# KiCad board EC87.kicad_pcb (continued)
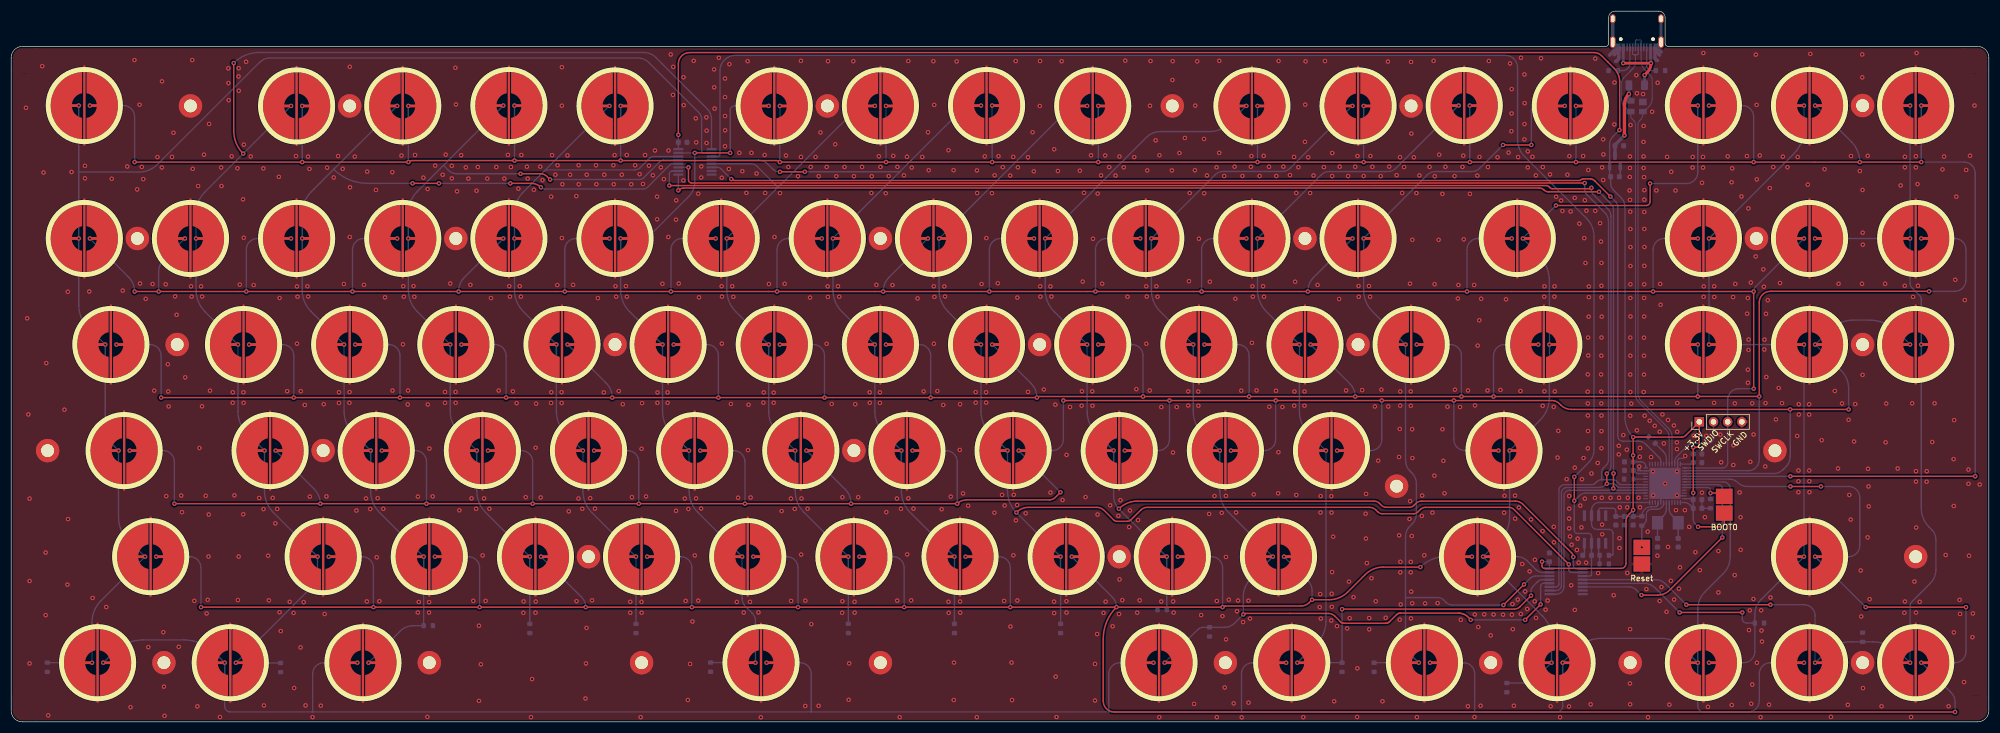
[diagram p0: board, top side]
## Routing (per net, layer and track width the routed paths; a pad name or vN(x,y) marks a point on that pad's centre or on a via; arc(x,y) is an arc through that point) (continued)
COL7: length 154.7
  Top w0.25: v1(159.34,48.59) 158.2,48.59 ; v1(154.59,67.59) 153.48,67.59 ; v1(173.59,110.41) 171.86,110.41 ; v1(142.06,98.55) 142.05,98.54 v1(137.6,98.54) ; v1(168.84,29.59) 167.25,29.59 ; v1(147.09,86.59) 148.15,86.59
  Bottom w0.25: 159.1,98.6 159.05,98.55 v1(142.06,98.55) ; 159.1,98.6 169.96,109.46 arc(171.01,110.16) 172.25,110.41 v1(173.59,110.41) ; 159.1,98.6 v1(147.09,86.59) 147.09,77.35 arc(147.51,75.27) 148.69,73.5 v1(154.59,67.59) 154.59,55.6 arc(155.01,53.52) 156.19,51.75 v1(159.34,48.59) 159.34,41.35 arc(159.76,39.27) 160.94,37.5 v1(168.84,29.59) R16.1 ; v1(137.6,98.54) 137.52,98.54 arc(136.87,98.67) 136.31,99.04 135.44,99.91 arc(134.64,100.44) 133.71,100.63 U2.4
COL8: length 230.7
  Top w0.25: v1(166.09,86.59) 167.26,86.59 ; v1(179.94,37.5) 180.03,37.59 arc(180.95,38.21) 182.04,38.42 194.35,38.42 arc(195.04,38.29) 195.62,37.9 197.4,36.12 arc(197.63,35.97) 197.89,35.92 199.83,35.92 arc(200.15,35.98) 200.41,36.16 202.22,37.97 arc(202.74,38.31) 203.34,38.43 243.08,38.43 arc(243.77,38.29) 244.34,37.91 244.65,37.6 arc(245.01,37.36) 245.43,37.28 251.03,37.28 arc(251.44,37.36) 251.78,37.59 252.24,38.04 arc(252.67,38.33) 253.17,38.43 268.06,38.43 arc(268.57,38.33) 269,38.04 v1(278.81,28.23) ; v1(178.34,48.59) 176.72,48.59 ; v1(187.84,29.59) 186.29,29.59 ; v1(192.59,110.34) 190.68,110.34 ; v1(173.59,67.59) 172.34,67.59
  Bottom w0.25: v1(192.59,110.34) 191.22,110.34 arc(189.95,110.09) 188.87,109.37 v1(166.09,86.59) 166.09,77.35 arc(166.51,75.27) 167.69,73.5 v1(173.59,67.59) 173.59,55.6 arc(174.01,53.52) 175.19,51.75 v1(178.34,48.59) 178.34,41.35 arc(178.76,39.27) v1(179.94,37.5) v1(187.84,29.59) R25.1 ; U4.2 279.31,26.77 arc(278.96,26.92) 278.81,27.27 v1(278.81,28.23)
COL9: length 217.6
  Top w0.25: v1(185.09,86.59) 186.48,86.59 ; v1(192.59,67.59) 190.93,67.59 ; v1(197.34,48.59) 196.08,48.59 ; v1(206.84,29.59) 205.9,29.59 ; v1(221.09,110.34) 219.38,110.34 ; v1(198.27,38.16) arc(199.81,39.19) 201.61,39.55 243.97,39.55 arc(244.48,39.45) 244.91,39.16 245.28,38.79 arc(245.67,38.53) 246.14,38.44 250.29,38.44 arc(250.71,38.52) 251.06,38.76 251.42,39.11 arc(251.9,39.43) 252.47,39.55 269.25,39.55 arc(269.97,39.4) 270.58,39 279.33,30.25 arc(279.55,29.92) v1(279.62,29.54)
  Bottom w0.25: R23.1 206.86,29.56 arc(206.85,29.58) v1(206.84,29.59) v1(198.27,38.16) arc(197.59,39.19) 197.34,40.41 v1(197.34,48.59) 194.19,51.75 arc(193.01,53.52) 192.59,55.6 v1(192.59,67.59) 186.69,73.5 arc(185.51,75.27) 185.09,77.35 v1(185.09,86.59) 203.22,104.72 arc(204.36,105.48) 205.69,105.74 214.56,105.74 arc(216.35,106.1) 217.86,107.11 v1(221.09,110.34) ; U4.1 280.22,27.42 arc(279.82,27.57) 279.63,27.95 279.63,29.53 v1(279.62,29.54)
COL10: length 210.6
  Top w0.25: v1(211.59,67.59) 210.07,67.59 ; v1(261.26,18.28) 261.26,18.28 260.67,18.87 260.56,18.97 260.32,19.13 260.06,19.27 259.79,19.37 259.5,19.44 259.21,19.47 259.06,19.48 248.68,19.48 248.58,19.47 248.39,19.44 248.21,19.36 248.04,19.25 247.97,19.18 246.74,17.95 246.67,17.88 246.5,17.77 246.32,17.7 246.13,17.66 246.03,17.66 238.63,17.66 238.53,17.66 238.34,17.7 238.16,17.77 237.99,17.88 237.92,17.95 236.94,18.93 arc(236.4,19.29) 235.75,19.42 229.06,19.42 228.84,19.42 220.98,19.42 arc(220.75,19.38) v1(220.55,19.25) ; v1(204.09,86.59) 205.74,86.59 ; v1(225.84,29.59) 224.56,29.59 ; v1(206.47,10.59) 207.58,10.59 ; v1(271,18.28) v1(273.77,21.05) ; v1(216.34,48.59) 214.97,48.59 ; v1(240.09,110.34) 238.52,110.34
  Bottom w0.25: v1(271,18.28) v1(261.26,18.28) ; U4.12 274.31,24.82 arc(273.93,24.67) 273.77,24.29 v1(273.77,21.05) ; v1(206.47,10.59) 212.4,16.53 arc(212.84,16.82) 213.36,16.93 217.2,16.93 arc(218.16,17.12) 218.96,17.65 v1(220.55,19.25) 220.56,19.25 220.56,22.61 arc(220.94,24.25) 221.9,25.65 v1(225.84,29.59) 217.94,37.5 arc(216.76,39.27) 216.34,41.35 v1(216.34,48.59) 213.19,51.75 arc(212.01,53.52) 211.59,55.6 v1(211.59,67.59) 205.69,73.5 arc(204.51,75.27) 204.09,77.35 v1(204.09,86.59) 215.52,98.02 arc(216.17,98.45) 216.93,98.61 227.53,98.61 arc(228.29,98.76) 228.94,99.19 v1(240.09,110.34)
COL11: length 193.2
  Top w0.25: v1(272.05,22.61) 270.06,20.62 arc(269.6,20.31) 269.05,20.2 v1(238.22,20.2) ; v1(259.09,110.41) 257.42,110.41 ; v1(230.22,10.59) 231.36,10.59 ; v1(230.59,67.59) 228.96,67.59 ; v1(223.09,86.59) 224.68,86.59 ; v1(235.34,48.59) 233.92,48.59
  Bottom w0.25: U4.13 274.04,25.47 arc(273.64,25.39) 273.3,25.16 272.41,24.27 arc(272.15,23.88) 272.05,23.41 v1(272.05,22.61) ; v1(238.22,20.2) 238.22,10.59 238.22,10.59 v1(230.22,10.59) 233.75,14.12 arc(234.93,15.89) 235.34,17.97 v1(235.34,48.59) 232.19,51.75 arc(231.01,53.52) 230.59,55.6 v1(230.59,67.59) 224.69,73.5 arc(223.51,75.27) 223.09,77.35 v1(223.09,86.59) 234.5,98 arc(235.15,98.43) 235.91,98.59 246.45,98.59 arc(247.21,98.74) 247.86,99.17 v1(259.09,110.41)
COL12: length 172.6
  Top w0.25: v1(249.59,67.59) 248.14,67.59 ; v1(267.11,20.93) v1(270.8,24.62) ; v1(267.03,103.35) v1(272.1,103.35) ; v1(278.09,110.34) 276.33,110.34 ; v1(251.97,10.59) 250.64,10.59 ; v1(242.09,86.59) 243.62,86.59
  Bottom w0.25: v1(267.11,20.93) 257.97,20.93 arc(257.36,21.05) 256.85,21.39 256.38,21.86 arc(255.93,22.16) 255.39,22.27 249.59,22.27 ; v1(270.8,24.62) 271.9,25.72 arc(272.35,26.01) 272.88,26.12 U4.14 ; 249.59,22.27 249.59,14.65 arc(249.9,13.1) 250.78,11.78 v1(251.97,10.59) arc(251.97,10.59) 251.96,10.59 243.96,10.59 ; 249.59,22.27 249.59,33.27 arc(249.77,34.18) 250.29,34.95 250.73,35.4 arc(251.33,36.28) 251.53,37.33 251.53,42.66 arc(251.33,43.7) 250.74,44.58 250.37,44.95 arc(249.8,45.81) 249.59,46.83 v1(249.59,67.59) 243.69,73.5 arc(242.51,75.27) 242.09,77.35 v1(242.09,86.59) 253.49,97.99 arc(254.14,98.42) 254.9,98.58 261.44,98.58 arc(262.2,98.73) 262.85,99.16 v1(267.03,103.35) ; v1(278.09,110.34) 273.05,110.34 arc(272.38,110.07) 272.1,109.4 v1(272.1,103.35)
COL13: length 169.1
  Top w0.25: v1(270.59,86.59) 272.46,86.59 ; v1(275.34,67.59) 276.88,67.59 ; v1(293.36,96.45) 293.36,93.19 arc(293.16,92.71) 292.68,92.51 v1(276.51,92.51) ; v1(263.47,29.59) 265.15,29.59 ; v1(268.22,48.59) 270.24,48.59 ; v1(275.72,10.59) 274.66,10.59 ; v1(301.91,110.41) 300.63,110.41
  Bottom w0.25: v1(293.36,96.45) 299.91,96.45 arc(301.32,97.03) 301.91,98.45 v1(301.91,110.41) ; U4.15 274.02,26.77 arc(273.49,26.87) 273.05,27.17 271.37,28.85 arc(270.55,29.4) 269.58,29.59 v1(263.47,29.59) ; v1(263.47,29.59) 274.12,18.94 arc(275.3,17.17) 275.72,15.09 v1(275.72,10.59) 273.21,8.08 arc(271.95,7.24) 270.48,6.95 R21.1 ; v1(263.47,29.59) 266.62,32.75 arc(267.8,34.52) 268.22,36.6 v1(268.22,48.59) 273.65,54.02 arc(274.9,55.9) 275.34,58.12 v1(275.34,67.59) 275.34,78.87 arc(274.8,81.62) 273.24,83.95 v1(270.59,86.59) 276.5,92.5 arc(276.51,92.51) v1(276.51,92.51)
COL14: length 177.5
  Top w0.25: v1(320.91,29.59) 319.79,29.59 ; v1(303.91,67.59) 305.31,67.59 ; v1(320.91,110.41) 319.05,110.41 ; v1(303.91,10.59) 305.19,10.59 ; v1(320.91,67.59) 319.64,67.59 ; v1(303.91,86.59) 305.58,86.59 ; v1(298.65,19.6) v1(309.87,19.6)
  Bottom w0.25: v1(320.91,110.41) 320.91,106.17 arc(320.43,103.79) 319.08,101.77 v1(303.91,86.59) v1(303.91,67.59) v1(320.91,67.59) v1(320.91,29.59) 313.24,21.92 arc(312.41,20.69) 312.12,19.23 R24.1 ; R24.1 310.64,17.7 arc(310.1,17.92) 309.87,18.47 v1(309.87,19.6) ; R24.1 312.12,12.59 arc(311.53,11.18) 310.12,10.59 v1(303.91,10.59) ; v1(298.65,19.6) 294.19,24.06 arc(293.34,24.63) 292.35,24.82 U4.5
COL15: length 202.3
  Top w0.25: v1(322.91,86.59) 324.41,86.59 ; v1(339.91,86.59) 338.53,86.59 ; v1(339.91,10.59) 338.66,10.59 ; v1(341.91,67.59) 344.06,67.59 ; v1(314.91,20.99) v1(299.85,20.99) ; v1(339.91,110.41) 338.18,110.41 ; v1(322.91,10.59) 324.74,10.59
  Bottom w0.25: v1(339.91,86.59) 339.91,78.51 arc(339.98,78.13) 340.2,77.8 341.61,76.39 arc(341.83,76.06) 341.91,75.68 v1(341.91,67.59) 341.91,38.28 arc(342.27,36.45) 343.31,34.9 343.78,34.43 arc(344.33,33.6) 344.52,32.62 344.52,27.23 arc(344.27,25.93) 343.53,24.83 340.2,21.5 arc(339.98,21.18) 339.91,20.79 v1(339.91,10.59) 338.26,12.24 arc(335.94,13.79) 333.21,14.33 R26.1 329.28,14.33 arc(326.84,13.85) 324.78,12.47 v1(322.91,10.59) 322.91,18.99 arc(322.32,20.4) 320.91,20.99 v1(314.91,20.99) ; v1(339.91,86.59) v1(322.91,86.59) ; v1(339.91,86.59) v1(339.91,110.41) ; U4.4 294.37,25.47 arc(295.3,25.29) 296.08,24.76 v1(299.85,20.99)
D+: length 82
  Bottom w0.2: USB1.6 290.75,121.98 arc(290.81,122.13) 290.96,122.19 291.57,122.19 arc(291.7,122.13) 291.75,122 291.75,118.53 arc(291.95,117.55) 292.5,116.72 293.39,115.83 arc(293.65,115.45) 293.74,115 293.74,111.65 arc(293.58,110.86) 293.14,110.2 292.35,109.41 arc(292.27,109.35) 292.18,109.34 ; U1.33 297.28,51.13 arc(297.13,51.89) 296.7,52.54 291.79,57.45 arc(291.36,58.1) 291.2,58.86 291.2,107 arc(291.28,107.38) 291.5,107.7 291.65,107.85 arc(291.97,108.33) 292.08,108.9 D1.2
D-: length 81.3
  Bottom w0.2: U1.32 296.78,50.99 arc(296.63,51.75) 296.2,52.4 291.34,57.26 arc(290.91,57.91) 290.75,58.68 290.75,107 arc(290.68,107.38) 290.46,107.7 290.17,108 arc(289.95,108.32) 289.88,108.69 D1.3 ; 290.59,119.52 290.44,119.52 arc(290.3,119.57) 290.25,119.71 290.25,120.85 ; 290.59,119.52 290.89,119.52 ; 290.59,119.52 arc(290.7,119.47) 290.74,119.37 ; 290.74,119.37 290.74,118.18 arc(290.61,117.53) 290.25,116.98 288.63,115.37 arc(288.36,114.96) 288.26,114.47 288.26,111.48 arc(288.39,110.81) 288.77,110.25 289.61,109.41 arc(289.69,109.35) 289.78,109.34 ; 290.74,119.37 arc(290.78,119.47) 290.89,119.52 ; 290.89,119.52 291.04,119.52 arc(291.19,119.58) 291.25,119.72 291.25,120.85
NRST: length 10.6
  Bottom w0.25: v1(291.88,31.27) R4.2 291.98,35.16 292.42,35.59 arc(292.62,35.88) 292.68,36.23 292.68,37.16 arc(292.95,37.82) 293.61,38.09 294.61,38.09 arc(295.05,38.17) 295.42,38.42 295.68,38.68 arc(295.76,38.8) 295.78,38.93 U1.7
ROW0: length 640.2
  Top w0.25: v1(280.09,110.34) 281.4,110.34 ; v1(52.09,110.34) 53.91,110.34 ; v1(341.91,100.28) 341.9,100.28 v1(330.9,100.28) v1(311.9,100.28) v1(223.09,100.28) v1(137.59,100.28) arc(137.28,100.48) 136.92,100.56 71.77,100.56 arc(71.4,100.48) v1(71.09,100.28) v1(52.09,100.28) v1(22.09,100.28) ; v1(90.09,110.41) 91.17,110.41 ; v1(156.59,110.34) 158.09,110.34 ; v1(322.91,110.41) 324.52,110.41 ; v1(194.59,110.34) 196.18,110.34 ; v1(261.09,110.41) 262.66,110.41 ; v1(242.09,110.34) 243.49,110.34 ; v1(109.09,110.34) 110.07,110.34 ; v1(71.09,110.34) 73.1,110.34 ; v1(303.91,110.41) 305.78,110.41 ; v1(341.91,110.41) 343.55,110.41 ; v1(175.59,110.41) 176.84,110.41 ; v1(318.48,43.99) v1(351.56,43.99) ; v1(223.09,110.34) 224.91,110.34 ; v1(14.09,110.41) 15.86,110.41 ; v1(137.59,110.34) 139.1,110.34
  Bottom w0.25: v1(137.59,110.34) v1(137.59,100.28) ; v1(175.59,110.41) v1(175.59,100.28) ; v1(303.91,110.41) 309.91,110.41 arc(311.32,109.82) 311.9,108.42 v1(311.9,100.28) ; v1(71.09,100.28) v1(71.09,110.34) ; v1(52.09,110.34) v1(52.09,100.28) ; v1(156.59,110.34) v1(156.59,100.28) ; v1(351.56,43.99) 351.56,98.28 arc(350.98,99.69) 349.56,100.28 v1(341.91,100.28) v1(341.91,110.41) ; v1(242.09,110.34) v1(242.09,100.28) ; v1(261.09,110.41) v1(261.09,100.28) ; v1(280.09,110.34) v1(280.09,100.28) ; v1(223.09,100.28) 223.09,100.54 arc(223.09,100.54) 223.09,100.54 v1(223.09,110.34) ; v1(22.09,100.28) 22.09,108.41 arc(21.51,109.82) 20.09,110.41 v1(14.09,110.41) ; v1(322.91,110.41) 329.4,103.92 arc(330.51,102.25) v1(330.9,100.28) ; v1(90.09,110.41) v1(90.09,100.56) ; U1.40 v1(318.48,43.99) ; v1(109.09,110.34) v1(109.09,100.56) ; v1(194.59,110.34) v1(194.59,100.28)
ROW1: length 597.3
  Top w0.25: v1(126.09,86.59) 124.71,86.59 ; v1(50.09,86.59) 48.99,86.59 ; v1(88.09,86.59) 86.86,86.59 ; v1(268.59,86.59) 266.28,86.59 ; v1(202.09,86.59) 200.8,86.59 ; v1(69.09,86.59) 67.45,86.59 ; v1(14.09,86.59) 15.46,86.59 ; v1(240.09,86.59) 238.75,86.59 ; v1(221.09,86.59) 219.76,86.59 ; v1(145.09,86.59) 144.03,86.59 ; v1(107.09,86.59) 106.07,86.59 ; v1(31.09,86.59) 29.59,86.59 ; v1(301.91,86.59) 299.95,86.59 ; v1(183.09,86.59) 181.34,86.59 ; v1(164.09,86.59) 162.94,86.59 ; v1(311.9,59.69) v1(311.9,77.1) v1(293.9,77.1) v1(260.59,77.1) v1(232.09,77.1) v1(213.08,77.1) v1(194.08,77.1) v1(175.09,77.1) v1(137.09,77.1) v1(118.09,77.1) v1(99.09,77.1) v1(80.09,77.1) v1(61.09,77.1) v1(42.09,77.1) v1(26.39,77.1) v1(22.09,77.1) ; v1(320.91,86.59) 319.18,86.59
  Bottom w0.25: v1(164.09,86.59) 157.15,79.65 arc(156.37,78.48) v1(156.09,77.1) ; v1(61.09,77.1) 61.09,84.59 arc(61.68,86.01) 63.1,86.59 v1(69.09,86.59) ; v1(293.9,77.1) 293.9,84.6 arc(294.49,86.01) 295.9,86.59 v1(301.91,86.59) ; v1(31.09,86.59) 27.33,82.83 arc(26.64,81.79) 26.39,80.58 v1(26.39,77.1) ; v1(183.09,86.59) 177.09,86.59 arc(175.68,86.01) 175.09,84.6 v1(175.09,77.1) ; v1(137.09,77.1) 137.09,84.6 arc(137.68,86.01) 139.09,86.59 v1(145.09,86.59) ; v1(202.09,86.59) 196.08,86.59 arc(194.67,86.01) 194.08,84.6 v1(194.08,77.1) ; v1(42.09,77.1) 42.09,84.6 arc(42.68,86.01) 44.09,86.59 v1(50.09,86.59) ; v1(88.09,86.59) 81.15,79.65 arc(80.37,78.48) v1(80.09,77.1) ; v1(320.91,86.59) 312.25,77.94 arc(311.99,77.55) v1(311.9,77.1) ; U1.37 306.34,45.49 arc(306.99,45.75) 307.25,46.4 J1.3 307.25,57.69 arc(307.84,59.1) 309.25,59.69 v1(311.9,59.69) ; v1(14.09,86.59) 21.03,79.65 arc(21.82,78.48) v1(22.09,77.1) ; v1(268.59,86.59) 262.59,86.59 arc(261.18,86.01) 260.59,84.6 v1(260.59,77.1) ; v1(118.09,77.1) 118.09,84.6 arc(118.68,86.01) 120.09,86.59 v1(126.09,86.59) ; v1(213.08,77.1) 213.08,84.6 arc(213.67,86.01) 215.08,86.59 v1(221.09,86.59) ; v1(99.09,77.1) 99.09,84.59 arc(99.68,86.01) 101.1,86.59 v1(107.09,86.59) ; v1(240.09,86.59) 233.15,79.65 arc(232.37,78.48) v1(232.09,77.1)
ROW2: length 636.8
  Top w0.25: v1(273.34,67.59) 271.62,67.59 ; v1(118.59,67.59) 119.87,67.59 ; v1(61.59,67.59) 63.56,67.59 ; v1(42.59,67.59) 44.14,67.59 ; v1(301.91,67.59) 299.94,67.59 ; v1(80.59,67.59) 81.89,67.59 ; v1(194.59,67.59) 196.06,67.59 ; v1(232.59,67.59) 234.96,67.59 ; v1(341.91,86.59) 343.05,86.59 ; v1(156.59,67.59) 158.1,67.59 ; v1(343.3,77.13) 314.9,77.13 arc(313.49,76.54) 312.9,75.13 v1(312.9,58.3) 301.91,58.3 v1(301.9,58.29) v1(265.34,58.29) v1(259.59,58.29) v1(240.59,58.29) v1(221.59,58.29) v1(202.6,58.29) 184.06,58.29 arc(183.81,58.24) v1(183.6,58.1) v1(164.59,58.1) v1(145.59,58.1) v1(126.59,58.1) v1(107.59,58.1) v1(88.59,58.1) v1(69.59,58.1) v1(50.57,58.1) v1(26.84,58.1) ; v1(213.59,67.59) 214.9,67.59 ; v1(175.59,67.59) 177.39,67.59 ; v1(251.59,67.59) 253.41,67.59 ; v1(137.59,67.59) 138.6,67.59 ; v1(99.59,67.59) 100.84,67.59 ; v1(18.84,67.59) 20.12,67.59
  Bottom w0.25: v1(175.59,67.59) 182.55,60.64 arc(183.33,59.47) v1(183.6,58.1) ; v1(301.91,67.59) 301.91,58.29 v1(301.9,58.29) ; v1(99.59,67.59) 106.53,60.65 arc(107.32,59.48) v1(107.59,58.1) ; v1(251.59,67.59) 257.6,67.59 arc(259.01,67.01) 259.59,65.6 v1(259.59,58.29) ; v1(88.59,58.1) 88.59,65.6 arc(88.01,67.01) 86.6,67.59 v1(80.59,67.59) ; v1(221.59,58.29) 221.59,65.6 arc(221.01,67.01) 219.6,67.59 v1(213.59,67.59) ; v1(265.34,58.29) 265.34,65.6 arc(265.93,67.01) 267.34,67.59 v1(273.34,67.59) ; v1(69.59,58.1) 69.59,65.6 arc(69.01,67.01) 67.6,67.59 v1(61.59,67.59) ; v1(312.9,58.3) 312.9,46.99 arc(312.32,45.57) 310.9,44.99 U1.38 ; v1(232.59,67.59) 239.67,60.52 arc(240.35,59.49) v1(240.59,58.29) ; v1(118.59,67.59) 124.6,67.59 arc(126.01,67.01) 126.59,65.6 v1(126.59,58.1) ; v1(164.59,58.1) 164.59,65.6 arc(164.01,67.01) 162.6,67.59 v1(156.59,67.59) ; v1(343.3,77.13) 347.9,77.13 arc(349.32,77.71) 349.9,79.13 349.9,84.6 arc(349.32,86.01) 347.91,86.59 v1(341.91,86.59) ; v1(137.59,67.59) 143.6,67.59 arc(145.01,67.01) 145.59,65.6 v1(145.59,58.1) ; v1(42.59,67.59) 48.6,67.59 arc(50.01,67.01) 50.59,65.6 50.59,58.12 arc(50.59,58.1) v1(50.57,58.1) ; v1(202.6,58.29) 202.6,65.6 arc(202.02,67.01) 200.61,67.59 v1(194.59,67.59) ; v1(18.84,67.59) 24.85,67.59 arc(26.26,67.01) 26.84,65.6 v1(26.84,58.1)
ROW3: length 600.8
  Top w0.25: v1(188.34,57.56) v1(207.34,57.56) v1(226.35,57.56) v1(245.34,57.56) v1(258.24,57.56) 275.78,57.56 arc(276.51,57.42) 277.13,57 277.37,56.76 arc(278.25,56.17) 279.28,55.97 v1(318.44,55.97) v1(328.9,55.97) ; v1(322.91,67.59) 324.64,67.59 ; v1(180.34,48.59) 181.66,48.59 ; v1(21.22,48.59) 22.25,48.59 ; v1(66.34,48.59) 67.49,48.59 ; v1(237.34,48.59) 239.23,48.59 ; v1(104.34,48.59) 105.59,48.59 ; v1(47.34,48.59) 48.75,48.59 ; v1(187.82,41.12) 186.91,40.21 arc(186.41,39.87) 185.81,39.76 170.96,39.76 arc(170.09,39.58) v1(169.34,39.09) v1(150.34,39.09) v1(131.34,39.09) v1(112.34,39.09) v1(93.34,39.09) v1(74.34,39.09) v1(55.34,39.09) v1(29.21,39.09) ; v1(161.34,48.59) 162.67,48.59 ; v1(339.91,67.59) 338.52,67.59 ; v1(142.34,48.59) 143.6,48.59 ; v1(266.22,48.59) 264.45,48.59 ; v1(123.34,48.59) 124.77,48.59 ; v1(85.34,48.59) 86.23,48.59 ; v1(218.34,48.59) 219.77,48.59 ; v1(199.34,48.59) 201.02,48.59
  Bottom w0.25: v1(266.22,48.59) 260.24,48.59 arc(258.82,49.18) 258.23,50.6 258.23,57.56 arc(258.24,57.56) v1(258.24,57.56) ; v1(21.22,48.59) 27.22,48.59 arc(28.63,48.01) 29.21,46.6 v1(29.21,39.09) ; v1(47.34,48.59) 54.28,41.66 arc(55.07,40.48) v1(55.34,39.09) ; v1(131.34,39.09) 131.34,46.6 arc(130.76,48.01) 129.35,48.59 v1(123.34,48.59) ; U1.39 315.53,44.49 arc(316.4,44.66) 317.14,45.15 317.7,45.72 arc(318.25,46.54) 318.44,47.5 v1(318.44,55.97) ; v1(161.34,48.59) 167.35,48.59 arc(168.76,48.01) 169.34,46.6 v1(169.34,39.09) ; v1(104.34,48.59) 110.35,48.59 arc(111.76,48.01) 112.34,46.6 v1(112.34,39.09) ; 186.25,48.59 v1(180.34,48.59) 187.81,41.12 arc(187.82,41.12) v1(187.82,41.12) ; 186.25,48.59 186.34,48.59 arc(187.76,49.18) 188.34,50.6 v1(188.34,57.56) ; 186.25,48.59 186.35,48.59 ; v1(199.34,48.59) 205.34,48.59 arc(206.75,49.18) 207.33,50.59 207.33,57.56 arc(207.34,57.56) v1(207.34,57.56) ; v1(339.91,67.59) 337.6,69.9 arc(335.3,71.44) 332.58,71.98 329.79,71.98 arc(327.48,71.52) 325.52,70.21 v1(322.91,67.59) 327.58,62.92 arc(328.56,61.45) 328.9,59.73 v1(328.9,55.97) ; v1(142.34,48.59) 149.28,41.66 arc(150.07,40.48) v1(150.34,39.09) ; v1(93.34,39.09) 93.34,46.6 arc(92.76,48.01) 91.35,48.59 v1(85.34,48.59) ; v1(66.34,48.59) 72.35,48.59 arc(73.76,48.01) 74.34,46.6 v1(74.34,39.09) ; v1(237.34,48.59) 243.35,48.59 arc(244.76,49.18) 245.34,50.59 245.34,57.56 arc(245.34,57.56) v1(245.34,57.56) ; v1(218.34,48.59) 224.34,48.59 arc(225.76,49.18) 226.34,50.6 226.34,57.56 arc(226.35,57.56) v1(226.35,57.56)
ROW4: length 694.8
  Top w0.25: v1(94.84,29.59) 96.44,29.59 ; v1(208.84,29.59) 209.85,29.59 ; v1(341.91,10.59) 343.78,10.59 ; v1(252.24,27.73) 245.58,27.73 arc(243.86,27.38) 242.39,26.4 239.23,23.24 arc(237.72,22.23) 235.93,21.88 v1(232.86,21.88) 232.32,21.34 arc(231.68,20.91) 230.92,20.76 217.35,20.76 arc(217.08,20.7) v1(216.84,20.55) v1(102.84,20.55) v1(83.84,20.55) v1(64.84,20.55) v1(33.97,20.55) ; v1(132.84,29.59) 134.22,29.59 ; v1(349.91,20.55) v1(331.95,20.55) ; v1(75.84,29.59) 77.01,29.59 ; v1(322.91,29.59) 324.47,29.59 ; v1(189.84,29.59) 191.24,29.59 ; v1(151.84,29.59) 152.75,29.59 ; v1(25.97,29.59) 27.38,29.59 ; v1(261.47,29.59) 259.89,29.59 ; v1(227.84,29.59) 229.28,29.59 ; v1(318.48,42.17) v1(323.94,42.17) ; v1(113.84,29.59) 114.99,29.59 ; v1(347.96,1.76) 197.47,1.76 arc(196.06,2.35) 195.47,3.76 195.47,14.82 arc(196.09,17.92) v1(197.84,20.55) ; v1(170.84,29.59) 172.73,29.59 ; v1(56.84,29.59) 58.32,29.59
  Bottom w0.25: v1(170.84,29.59) 176.85,29.59 arc(178.26,29.01) 178.84,27.6 v1(178.84,20.55) ; v1(25.97,29.59) 31.98,29.59 arc(33.39,29.01) 33.97,27.6 v1(33.97,20.55) ; v1(113.84,29.59) 119.85,29.59 arc(121.26,29.01) 121.84,27.6 v1(121.84,20.55) ; v1(323.94,42.17) 328.9,42.17 arc(330.32,41.58) 330.9,40.17 330.9,31.6 arc(330.32,30.18) 328.9,29.59 v1(322.91,29.59) v1(331.95,20.55) ; v1(56.84,29.59) 62.85,29.59 arc(64.26,29.01) 64.84,27.6 v1(64.84,20.55) ; v1(83.84,20.55) 83.84,27.61 arc(83.26,29.01) 81.86,29.59 v1(75.84,29.59) ; v1(232.86,21.88) 232.86,23.48 arc(232.66,24.49) 232.09,25.34 v1(227.84,29.59) ; v1(349.91,20.55) 349.91,12.59 arc(349.33,11.18) 347.92,10.59 v1(341.91,10.59) 347.23,5.27 arc(347.77,4.46) 347.96,3.51 v1(347.96,1.76) ; U1.41 307.56,43.49 arc(308.38,43.32) 309.07,42.86 arc(309.84,42.35) 310.75,42.17 v1(318.48,42.17) ; v1(151.84,29.59) 157.85,29.59 arc(159.26,29.01) 159.84,27.6 v1(159.84,20.55) ; v1(261.47,29.59) 256.75,29.59 arc(254.31,29.11) v1(252.24,27.73) ; v1(216.84,20.55) 216.84,27.6 arc(216.26,29.01) 214.85,29.59 v1(208.84,29.59) ; v1(132.84,29.59) 138.85,29.59 arc(140.26,29.01) 140.84,27.6 v1(140.84,20.55) ; v1(189.84,29.59) 197.1,22.33 arc(197.65,21.51) v1(197.84,20.55) ; v1(94.84,29.59) 102.1,22.33 arc(102.65,21.51) v1(102.84,20.55)
ROW5: length 478.8
  Top w0.25: v1(253.97,10.59) 255.8,10.59 ; v1(320.91,10.59) 319.55,10.59 ; v1(301.91,10.59) 300.55,10.59 ; v1(228.22,10.59) 227.26,10.59 ; v1(16.47,10.59) 17.89,10.59 ; v1(61.97,10.59) 60.82,10.59 ; v1(204.47,10.59) 202.81,10.59 ; v1(38.22,10.59) 36.65,10.59 ; v1(277.72,10.59) 279.14,10.59 ; v1(135.22,10.59) 136.67,10.59
  Bottom w0.25: 261.97,1.78 276.69,1.78 arc(277.42,2.08) 277.72,2.81 v1(277.72,10.59) 280.29,13.16 arc(282.29,14.5) 284.64,14.97 295.27,14.97 arc(297.36,14.55) 299.13,13.37 v1(301.91,10.59) ; 261.97,1.78 220.26,1.78 ; 261.97,1.78 261.96,1.78 261.96,8.6 arc(261.38,10.01) 259.97,10.59 v1(253.97,10.59) ; v1(301.91,10.59) 301.91,20.16 arc(302.25,21.87) 303.21,23.31 306.45,26.55 arc(307.38,27.94) 307.7,29.58 307.7,41.77 arc(307.35,42.63) 306.48,42.99 U1.42 ; v1(301.91,10.59) 301.91,2.78 arc(302.2,2.07) 302.91,1.78 310.91,1.78 arc(312.33,2.36) 312.91,3.78 312.91,8.6 arc(313.5,10.01) 314.91,10.59 v1(320.91,10.59) ; 220.26,1.78 196.48,1.78 ; 220.26,1.78 arc(220.24,1.79) 220.22,1.82 220.22,8.6 arc(220.81,10.01) 222.22,10.59 v1(228.22,10.59) ; 53.9,1.78 53.97,1.78 53.97,8.6 arc(54.56,10.01) 55.97,10.59 v1(61.97,10.59) ; 53.9,1.78 143.16,1.78 ; 53.9,1.78 39.22,1.78 arc(38.51,2.07) 38.22,2.78 v1(38.22,10.59) 36.42,12.4 arc(33.89,14.08) 30.91,14.68 23.6,14.68 arc(20.78,14.12) 18.4,12.52 v1(16.47,10.59) ; 143.16,1.78 196.48,1.78 ; 143.16,1.78 arc(143.2,1.79) 143.21,1.83 143.21,8.6 arc(142.63,10.01) 141.22,10.59 v1(135.22,10.59) ; 196.48,1.78 arc(196.48,1.78) 196.47,1.79 196.47,8.6 arc(197.06,10.01) 198.47,10.59 v1(204.47,10.59)
SWDIO: length 12.4
  Bottom w0.25: U1.34 297.78,46.68 arc(297.87,47.12) 298.12,47.49 300.13,49.5 arc(300.58,49.8) 301.1,49.91 303.71,49.91 arc(304.42,50.2) 304.71,50.91 J1.2
XTAL0: length 7
  Bottom w0.25: U1.5 296.78,38.13 arc(296.9,37.53) 297.24,37.02 298.4,35.86 Y1.2 arc(298.4,35.65) 298.4,35.65 298.4,32.86
XTAL1: length 7
  Bottom w0.25: U1.6 296.28,38.22 arc(296.14,37.5) 295.73,36.88 294.7,35.86 Y1.1 arc(294.7,35.65) 294.7,35.65 294.7,32.86
Net-(C1-Pad1): length 2.5
  Bottom w0.25: U1.22 291.28,44.49 arc(290.91,44.56) 290.59,44.77 C1.1
Net-(R1-Pad2): length 5.8
  Bottom w0.25: R1.2 288.47,116.68 arc(289.38,117.05) 289.75,117.96 USB1.4
Net-(R2-Pad1): length 5.4
  Bottom w0.25: USB1.10 292.75,117.6 arc(293.03,116.95) 293.68,116.68 R2.1
Net-(R3-Pad1): length 4.5
  Bottom w0.25: U1.31 296.28,47.19 arc(296.16,47.82) 295.8,48.36 295.65,48.51 295.65,48.51 R3.1
Net-(R17-Pad2): length 3.8
  Bottom w0.25: U3.2 284.15,30.01 arc(284.21,29.89) R17.2 R18.1

## Copper pours and planes (outline as drawn; the poured copper is in the pictures)
GND on Top, Bottom: 148.38,51.06 153.29,51.06 153.29,46.15 148.38,46.15
GND on Top, Bottom: 27.28,70.04 32.19,70.04 32.19,65.13 27.28,65.13
GND on Top, Bottom: 181.65,70.07 186.56,70.07 186.56,65.16 181.65,65.16
GND on Top, Bottom: 0.04,4.79 4.78,4.79 4.78,0.05 0.04,0.05
GND on Top, Bottom: 349.19,4.79 353.93,4.79 353.93,0.05 349.19,0.05
GND on Top, Bottom: 77.13,89.03 82.04,89.03 82.04,84.12 77.13,84.12
GND on Top, Bottom: 0.14,4.81 4.88,4.81 4.88,0.07 0.14,0.07
GND on Top, Bottom: 238.67,70.06 243.58,70.06 243.58,65.15 238.67,65.15
GND on Top, Bottom: 153.13,13.06 158.04,13.06 158.04,8.15 153.13,8.15
GND on Top, Bottom: 262.4,13.05 267.31,13.05 267.31,8.14 262.4,8.14
GND on Top, Bottom: 328.95,70.09 333.86,70.09 333.86,65.18 328.95,65.18
GND on Top, Bottom: 0.06,116.22 0.06,120.96 4.82,120.96 4.82,116.22
GND on Top, Bottom: 338.49,32.05 343.4,32.05 343.4,27.14 338.49,27.14
GND on Top, Bottom: 229.16,89.05 234.07,89.05 234.07,84.14 229.16,84.14
GND on Top, Bottom: 349.16,116.21 349.16,120.95 353.98,120.95 353.98,116.21
GND on Top, Bottom: 328.97,112.87 333.88,112.87 333.88,107.96 328.97,107.96
GND on Top, Bottom: 318.13,48.59 318,47.28 316.48,45.78 313.94,45.81 313.31,47.45 313.31,51.24 318,51.24
GND on Top, Bottom: 58.16,112.8 63.07,112.8 63.07,107.89 58.16,107.89
GND on Top, Bottom: 214.86,13.06 219.77,13.06 219.77,8.15 214.86,8.15
GND on Top, Bottom: 72.41,13.08 77.32,13.08 77.32,8.17 72.41,8.17
GND on Top, Bottom: 100.91,32.05 105.82,32.05 105.82,27.14 100.91,27.14
GND on Top, Bottom: 287.36,13.08 292.27,13.08 292.27,8.17 287.36,8.17
GND on Top, Bottom: 143.61,112.82 148.52,112.82 148.52,107.91 143.61,107.91
GND on Top, Bottom: 205.4,112.79 210.31,112.79 210.31,107.88 205.4,107.88
GND on Top, Bottom: 328.95,13.08 333.86,13.08 333.86,8.17 328.95,8.17
GND on Top, Bottom: 354.01,0 0,0 0,121 354.01,121
GND on Top, Bottom: 20.12,89.05 25.03,89.05 25.03,84.14 20.12,84.14
GND on Top, Bottom: 53.39,51.05 58.3,51.05 58.3,46.14 53.39,46.14
GND on Top, Bottom: 245.28,44.64 250.45,44.64 250.45,39.73 245.28,39.73
GND on Top, Bottom: 153.15,89.06 158.06,89.06 158.06,84.15 153.15,84.15
GND on Top, Bottom: 248.16,112.82 253.07,112.82 253.07,107.91 248.16,107.91
GND on Top, Bottom: 36.4,110.8 31.68,106.19 27.28,110.33 32.09,114.88
GND on Top, Bottom: 24.89,13.01 29.8,13.01 29.8,8.1 24.89,8.1
GND on Top, Bottom: 4.05,51.05 8.96,51.05 8.96,46.14 4.05,46.14
GND on Top, Bottom: 195.92,32.08 200.83,32.08 200.83,27.17 195.92,27.17
GND on Top, Bottom: 309.98,89.06 314.89,89.06 314.89,84.15 309.98,84.15
GND on Top, Bottom: 110.38,13.05 115.29,13.05 115.29,8.14 110.38,8.14
GND on Top, Bottom: 105.65,70.08 110.56,70.08 110.56,65.17 105.65,65.17

## Text on the board
B.Silkscreen: SWDIO | SWCLK | GND | +3.3V | EC87 Prototype by Cipulot
F.Silkscreen: SWDIO | SWCLK | GND | +3.3V
